# KiCad board QUT_Autopilot_Pixracer.kicad_pcb
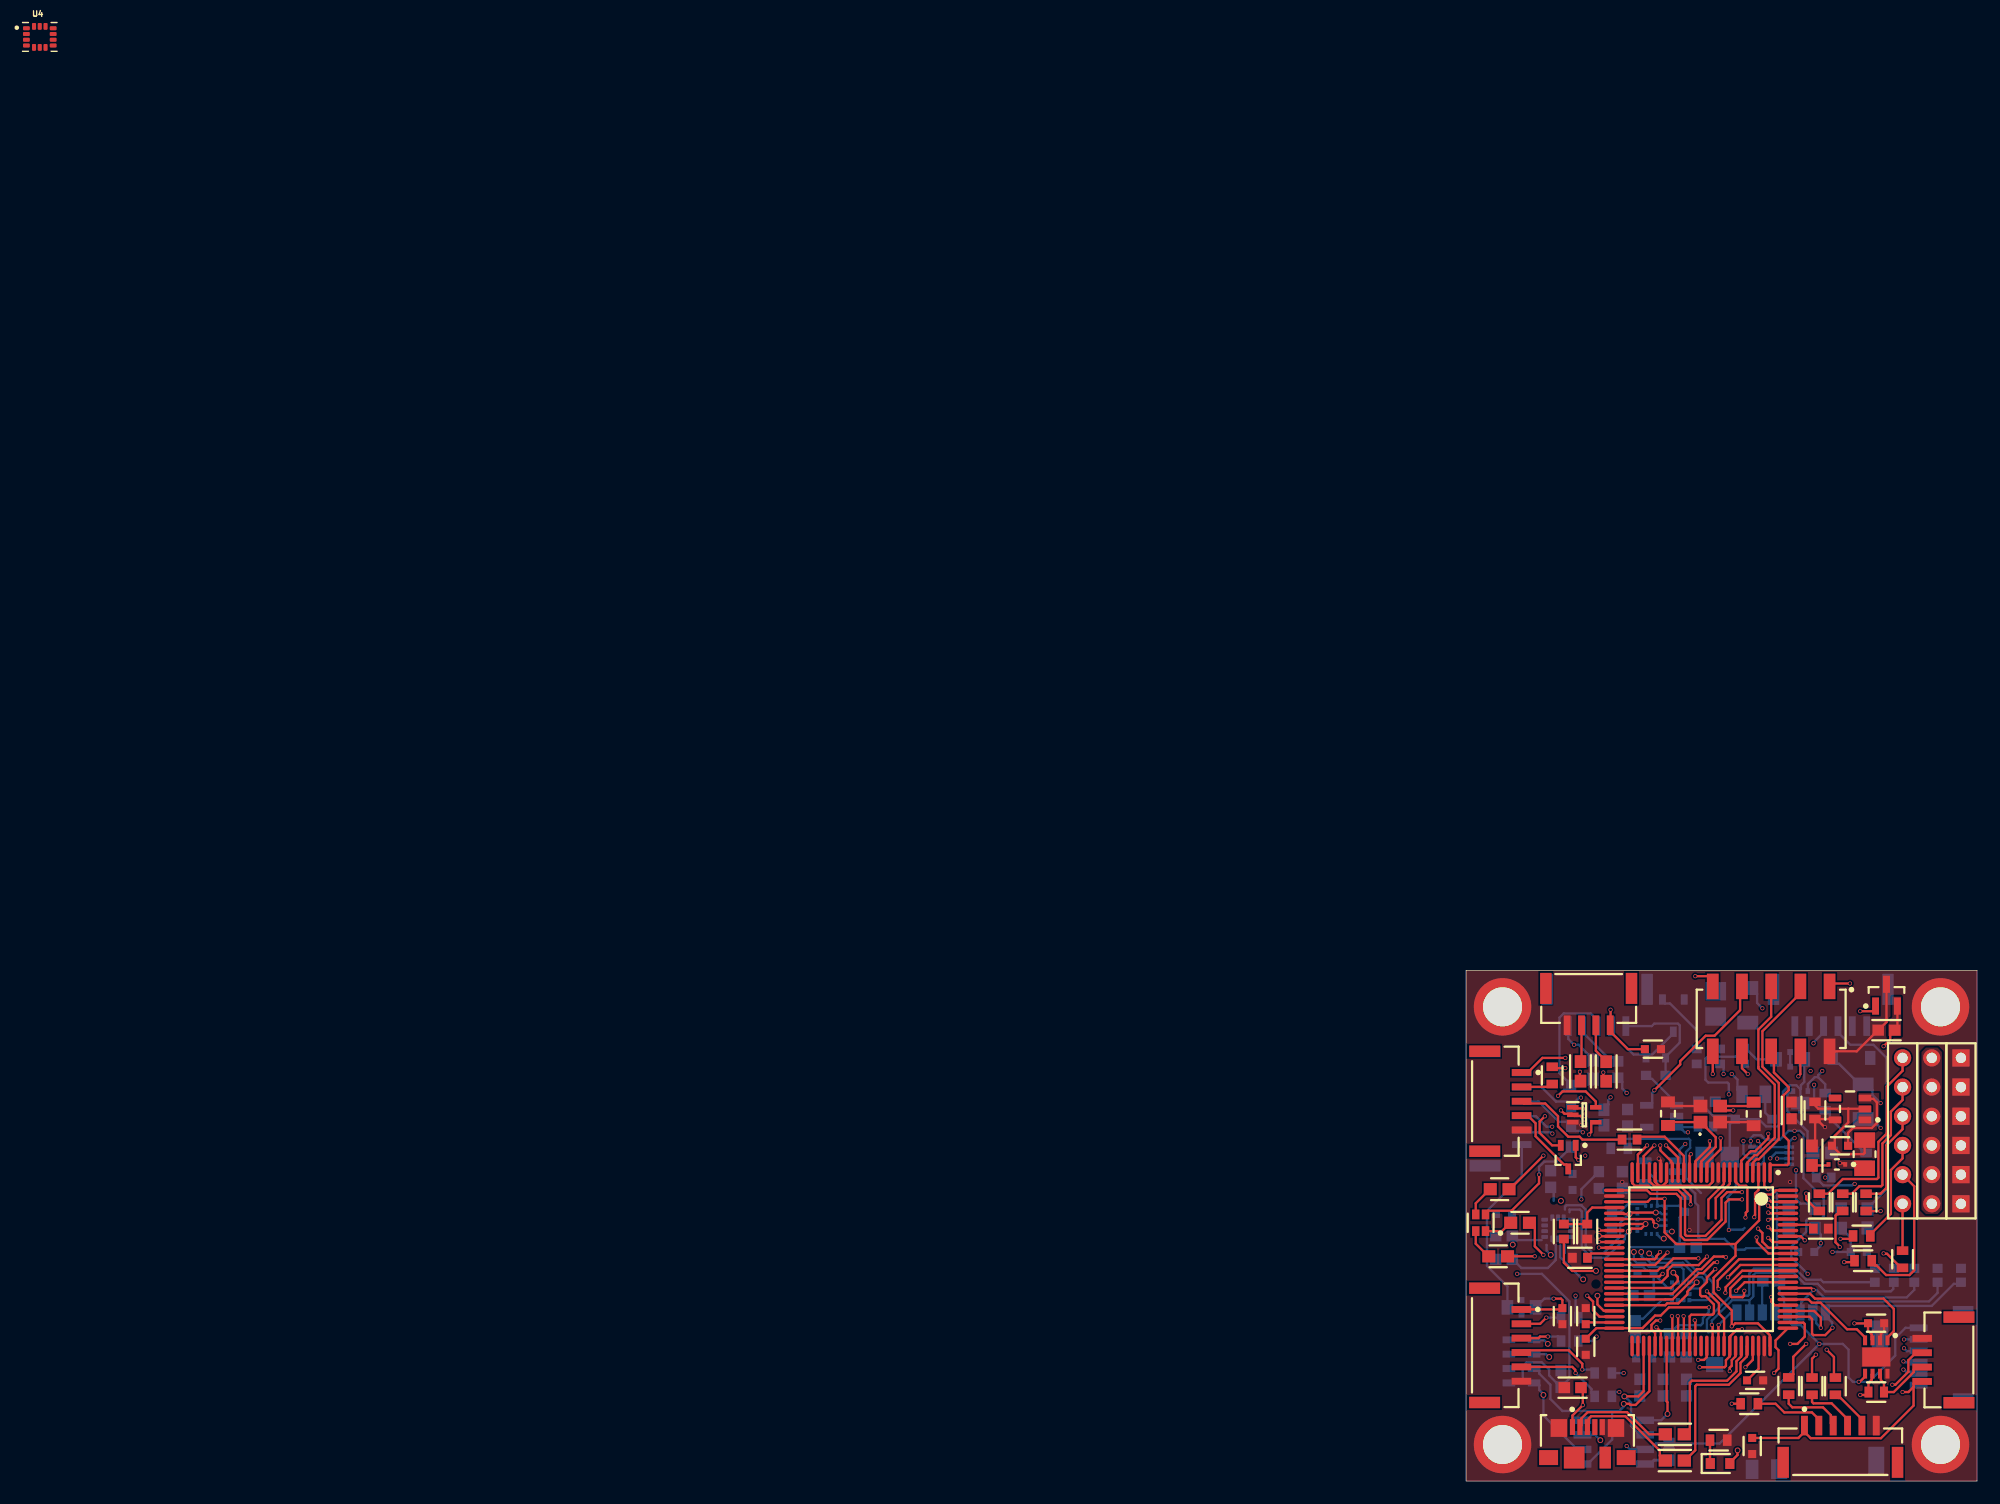
[diagram p0: board, top side]
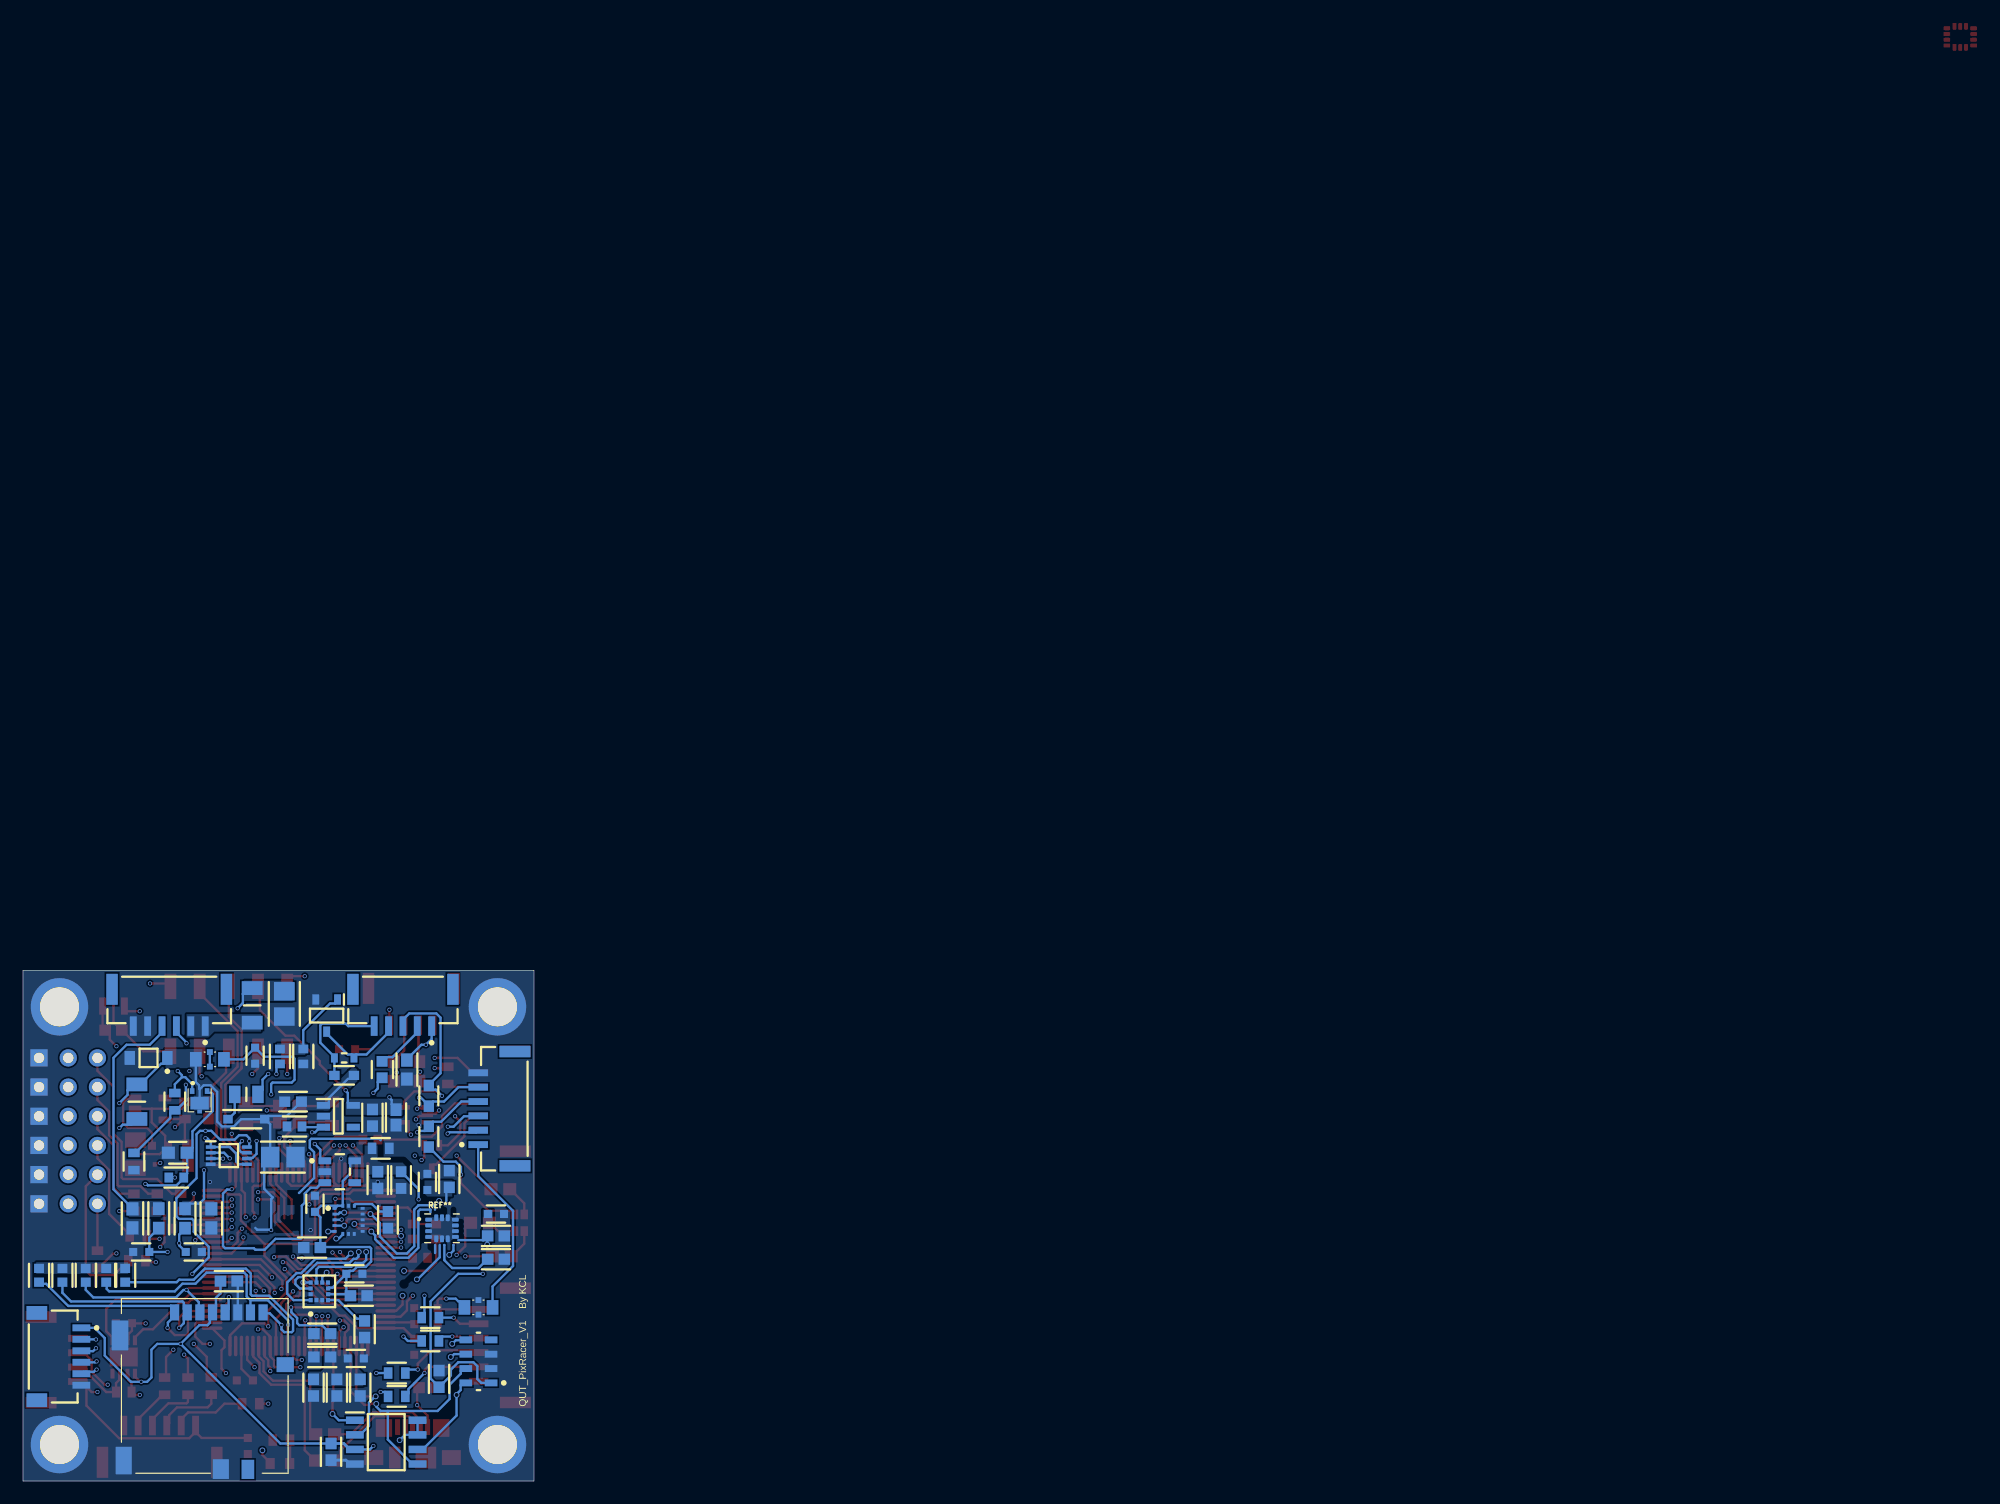
[diagram p1: board, bottom side, seen from below]

Outline 44.45 x 44.45 mm; copper layers: Top Layer, Mid Layer 1, Mid Layer 2, Bottom Layer. Coordinates in mm from the lower left corner of the outline.
Outline path: 0,44.45 0,0 44.45,0 44.45,44.45 0,44.45

## Placement (name value [footprint] x y rotation side)
C1  C1608X7R1A225K080AC  [FP-C1608-080-0_1-MFG]  10.41 14.35 270 top
C2  0603ZC104MAT2A  [FP-0603-L_1_6_0_15-W_0_81-IPC_B]  18.42 12.83 180 bottom
C3  CGA3E2C0G1H080D080AA  [FP-CGA3E-0_3-0_1-IPC_A]  25.02 31.95 270 top
C4  CGA3E2C0G1H080D080AA  [FP-CGA3E-0_3-0_1-IPC_A]  17.57 31.98 270 top
C5  0603ZC104MAT2A  [FP-0603-L_1_6_0_15-W_0_81-IPC_B]  17.65 2.54 270 bottom
C6  0603ZC104MAT2A  [FP-0603-L_1_6_0_15-W_0_81-IPC_B]  36.58 39.24 180 top
C7  C1608X7R1A225K080AC  [FP-C1608-080-0_1-MFG]  25.15 8.76 180 top
C8  0603ZC104MAT2A  [FP-0603-L_1_6_0_15-W_0_81-IPC_B]  19.18 8.13 90 bottom
C9  0603ZC104MAT2A  [FP-0603-L_1_6_0_15-W_0_81-IPC_B]  17.14 8.13 90 bottom
C10  0603ZC104MAT2A  [FP-0603-L_1_6_0_15-W_0_81-IPC_B]  15.11 8.13 90 bottom
C11  0603ZC104MAT2A  [FP-0603-L_1_6_0_15-W_0_81-IPC_B]  18.42 10.8 180 bottom
C12  C1608X7R1A225K080AC  [FP-C1608-080-0_1-MFG]  10.41 11.68 90 top
C13  C1608X7R1A225K080AC  [FP-C1608-080-0_1-MFG]  15.49 10.67 0 bottom
C14  C1608X7R1A225K080AC  [FP-C1608-080-0_1-MFG]  32.53 29.18 0 top
C15  CL10A106KP8NNND  [FP-CL10-IPC_B]  28.32 32.26 90 top
C16  GRM31CR60G227ME11L  [FP-GRM31C-0_3-e0_3_0_9-IPC_C]  34.67 28.45 90 top
C17  C1608X7R1A225K080AC  [FP-C1608-080-0_1-MFG]  3.3 23.24 0 bottom
C18  0603ZC104MAT2A  [FP-0603-L_1_6_0_15-W_0_81-IPC_B]  3.3 21.34 0 bottom
C19  0603ZC104MAT2A  [FP-0603-L_1_6_0_15-W_0_81-IPC_B]  3.3 19.3 0 bottom
C20  C1608X7R1A225K080AC  [FP-C1608-080-0_1-MFG]  9.27 26.03 270 bottom
C21  0603ZC104MAT2A  [FP-0603-L_1_6_0_15-W_0_81-IPC_B]  7.37 26.29 270 bottom
C22  C1608X7R1A225K080AC  [FP-C1608-080-0_1-MFG]  19.05 24.13 270 bottom
C23  0603ZC104MAT2A  [FP-0603-L_1_6_0_15-W_0_81-IPC_B]  19.3 20.32 180 bottom
C24  CL10B474KP8NNNC  [FP-CL10-IPC_B]  12.7 22.73 270 bottom
C25  0603ZC104MAT2A  [FP-0603-L_1_6_0_15-W_0_81-IPC_B]  8.26 8.89 90 bottom
C26  W2H13C1048AT1F  [W2H13C1048AT1A]  28.19 36.7 180 bottom
C27  C1608X7R1A225K080AC  [FP-C1608-080-0_1-MFG]  24.26 37.02 270 bottom
C28  0603ZC104MAT2A  [FP-0603-L_1_6_0_15-W_0_81-IPC_B]  13.59 26.2 90 bottom
C29  CL10A106KP8NNND  [FP-CL10-IPC_B]  11.56 26.2 270 bottom
C32  0603ZC104MAT2A  [FP-0603-L_1_6_0_15-W_0_81-IPC_B]  9.27 8.13 0 top
C33  C1608X5R1H103K080AA  [FP-C1608-080-0_1-MFG]  29.59 19.94 180 bottom
C34  C1608X5R1H103K080AA  [FP-C1608-080-0_1-MFG]  34.16 19.94 0 bottom
C35  0603ZC104MAT2A  [FP-0603-L_1_6_0_15-W_0_81-IPC_B]  26.54 17.4 180 bottom
C36  C1608X7R1A225K080AC  [FP-C1608-080-0_1-MFG]  35.67 13.74 180 top
C37  C1608X7R1A225K080AC  [FP-C1608-080-0_1-MFG]  8.38 14.35 270 top
C38  C1608X7R1A225K080AC  [FP-C1608-080-0_1-MFG]  24.89 3.05 270 top
C39  W2H13C1048AT1F  [W2H13C1048AT1A]  4.83 15.11 180 bottom
C40  C1608X7R1A225K080AC  [FP-C1608-080-0_1-MFG]  16.26 37.59 0 top
C41  C3216X5R1A107M160AC  [FP-C3216-160-0_3-IPC_C]  21.72 41.53 270 bottom
C42  C3216X5R1A107M160AC  [FP-C3216-160-0_3-IPC_C]  21.84 28.19 180 bottom
C43  CL10A106KP8NNND  [FP-CL10-IPC_B]  20.95 33.02 0 bottom
C44  CC0603KRX5R5BB106  [FP-CC0603-0_15-0_95-IPC_B]  12 31.65 270 bottom
C45  0603ZC104MAT2A  [FP-0603-L_1_6_0_15-W_0_81-IPC_B]  14.05 31.62 270 bottom
C46  0603ZC104MAT2A  [FP-0603-L_1_6_0_15-W_0_81-IPC_B]  15.24 16.13 0 bottom
C47  C1608X7R1A225K080AC  [FP-C1608-080-0_1-MFG]  15.62 18.03 0 bottom
C48  0603ZC104MAT2A  [FP-0603-L_1_6_0_15-W_0_81-IPC_B]  14.73 13.21 90 bottom
D1  BAS70-02V-V-G-08  [FP-S8-V-3880_02-001-MFG]  32.26 27.56 180 top
D2  PMEG2020CPA,115  [PMEG2020CPA115]  29.08 33.14 180 bottom
D3  MMSZ5232BT1G  [ONSC-SOD-123-2-425-04_V]  33.53 36.83 0 bottom
D4  PMEG1030EH,115  [SODFL3516X120N]  25.02 31.5 180 bottom
D5  1N4448X-TP  [1N4448XTP]  16.51 36.83 180 bottom
F1  0ZCJ0100FF2E  [FUSC3216X100N]  24.51 41.4 90 bottom
F2  0ZCK0035FF2G  [FUSC2214X75N]  25.02 33.66 180 bottom
F3  0ZCJ0100FF2E  [FUSC3216X100N]  34.54 33.02 270 bottom
IC1  STM32F427VIT6  [STM-LQFP100_N]  20.45 19.3 270 top
IC2  MCP131T-300E/TT  [SOT-23-TT3_N]  36.58 42.29 90 top
IC3  FM25V02A-GTR  [SOIC127P602X173-8N]  12.85 3.39 180 bottom
IC5  ICM-20602  [INSE-I62-16]  16.13 22.73 180 bottom
IC6  MS561101BA03-50  [MSI-MS561101BA03-50-8_V]  4.83 10.41 0 bottom
IC8  TJA1051TK_3,118  [SON65P300X300X100-9N-D]  35.69 10.8 270 top
IC9  74LVC1G86SE-7  [SOT65P210X110-5N]  10.29 31.88 0 top
IC10  74LVC2G86DC,125  [SOP50P310X100-8N]  26.54 28.32 180 bottom
IC11  AP7365-33WG-7  [SOT95P285X130-5N]  17.02 31.75 180 bottom
J1  SM06B-SRSS-TB(LF)(SN)  [JST-SM06B-SRSS-TB_V]  41.82 10.83 270 bottom
J2  473460001  [FP-473460001-MFG]  10.56 2.39 0 top
J3  SM06B-GHS-TB(LF)(SN)  [FP-SM06B-GHS-TB_LF_SN-MFG]  31.73 41.87 0 bottom
J4  PJS008-2120-0  [PJS00821200]  28.64 0.68 90 bottom
J5  SM04B-GHS-TB_LF__SN_  [SM04B-GHS-TB]  39.88 10.54 90 top
J6  SM05B-GHS-TB(LF)(SN)  [FP-SM05B-GHS-TB_LF_SN-MFG]  2.55 33.06 270 top
J7  SM06B-GHS-TB(LF)(SN)  [FP-SM06B-GHS-TB_LF_SN-MFG]  2.54 11.81 270 top
J8  SM06B-GHS-TB(LF)(SN)  [FP-SM06B-GHS-TB_LF_SN-MFG]  32.56 2.55 0 top
J9  SM06B-GHS-TB(LF)(SN)  [FP-SM06B-GHS-TB_LF_SN-MFG]  2.58 32.41 90 bottom
J10  Header 6  [HDR1X6]  40.51 24.13 90 top
J11  Header 6  [HDR1X6#2]  43.05 24.13 90 top
J12  Header 6  [HDR1X6]  37.97 24.13 90 top
J13  SM05B-GHS-TB(LF)(SN)  [FP-SM05B-GHS-TB_LF_SN-MFG]  11.4 41.87 0 bottom
J14  SM04B-GHS-TB_LF__SN_  [SM04B-GHS-TB]  10.67 39.88 180 top
JP1  SSM-105-L-DV  [SMTC-SSM-105-X-DV]  26.54 40.23 180 top
LED1  APG1608ZGCK  [LEDC1608X28N]  22.1 1.52 0 top
LED2  LTST-C19HE1WT  [FP-LTST-C19HE1WT-MFG]  1.27 22.48 180 top
NOREF  -  [unnamed]  3.17 41.28 0 top
NOREF#2  -  [unnamed#2]  41.27 3.17 0 top
NOREF#3  -  [unnamed#3]  3.17 3.17 0 top
NOREF#4  -  [unnamed#4]  41.27 41.28 0 top
Q1  XP151A12A2MR-G  [SOT95P280X130-3N]  18.03 40.51 270 bottom
Q2  BSS223PW H6327  [INF-PG-SOT-323_N]  8.89 28.19 270 top
R1  ERJ-3GEYJ103V  [FP-ERJ3G-IPC_C]  9.91 19.43 180 top
R2  ERJ-3GEYJ103V  [FP-ERJ3G-IPC_C]  30.86 21.97 0 top
R3  CRCW0603220RFKEB  [FP-CRCW0603-e3-MFG]  30.35 32.26 270 top
R4  RC1608J102CS  [FP-RC1608-IPC_A]  30.1 28.32 270 top
R5  DNP  [FP-CRCW0603-e3-MFG]  13.33 28.96 0 bottom
R6  CRCW060322R0JNEAHP  [FP-CRCW0603-HPe3-IPC_A]  18.16 4.06 0 top
R7  CRCW060322R0JNEAHP  [FP-CRCW0603-HPe3-IPC_A]  18.16 1.78 0 top
R8  RC1608J102CS  [FP-RC1608-IPC_A]  30.35 22.86 270 bottom
R9  RC1608J102CS  [FP-RC1608-IPC_A]  32.64 22.86 270 bottom
R10  CRCW06031M00JNEAHP  [FP-CRCW0603-HPe3-IPC_A]  28.07 22.86 270 bottom
R11  CRCW06031M00JNEAHP  [FP-CRCW0603-HPe3-IPC_A]  34.92 22.86 270 bottom
R12  ERJ-3GEYJ103V  [FP-ERJ3G-IPC_C]  8.51 21.72 90 top
R13  ERJ-3GEYJ103V  [FP-ERJ3G-IPC_C]  10.54 21.72 270 top
R14  RMCF0603JT100K  [FP-RMCF0603-IPC_C]  35.56 17.91 90 bottom
R15  RMCF0603JT100K  [FP-RMCF0603-IPC_C]  43.05 17.91 270 bottom
R16  RMCF0603JT100K  [FP-RMCF0603-IPC_C]  41.02 17.91 270 bottom
R17  RMCF0603JT100K  [FP-RMCF0603-IPC_C]  38.99 17.91 270 bottom
R18  RMCF0603JT100K  [FP-RMCF0603-IPC_C]  37.21 17.91 270 bottom
R19  MCT06030D1200BP100  [FP-MCT0603-MFG]  35.68 7.74 0 top
R20  CRCW0603220RFKEB  [FP-CRCW0603-e3-MFG]  7.49 35.31 270 top
R21  ERJ-3GEYJ103V  [FP-ERJ3G-IPC_C]  14.22 29.72 0 top
R22  RC1608J102CS  [FP-RC1608-IPC_A]  12.19 35.65 270 top
R23  RC1608J102CS  [FP-RC1608-IPC_A]  9.96 35.66 270 top
R24  CRCW0603220RFKEB  [FP-CRCW0603-e3-MFG]  9.02 14.22 180 bottom
R25  CRCW0603220RFKEB  [FP-CRCW0603-e3-MFG]  9.02 12.19 180 bottom
R26  CRCW0603220RFKEB  [FP-CRCW0603-e3-MFG]  11.94 9.4 180 bottom
R27  CRCW0603220RFKEB  [FP-CRCW0603-e3-MFG]  11.94 7.37 180 bottom
R28  CRCW0603220RFKEB  [FP-CRCW0603-e3-MFG]  24.64 6.73 0 top
R29  CRCW0603220RFKEB  [FP-CRCW0603-e3-MFG]  28.07 8.27 270 top
R30  CRCW0603220RFKEB  [FP-CRCW0603-e3-MFG]  30.1 8.25 270 top
R31  CRCW0603220RFKEB  [FP-CRCW0603-e3-MFG]  32.13 8.25 270 top
R32  CPF0603B1K5E1  [FP-CPF0603-MFG]  9.14 29.97 90 bottom
R33  CPF0603B1K5E1  [FP-CPF0603-MFG]  9.14 33.53 270 bottom
R34  CRCW0603220RFKEB  [FP-CRCW0603-e3-MFG]  37.97 19.3 270 top
R35  CRCW0603220RFKEB  [FP-CRCW0603-e3-MFG]  34.54 19.18 180 top
R36  CRCW0603220RFKEB  [FP-CRCW0603-e3-MFG]  34.42 21.34 180 top
R37  CRCW0603220RFKEB  [FP-CRCW0603-e3-MFG]  34.8 24.26 270 top
R38  CRCW0603220RFKEB  [FP-CRCW0603-e3-MFG]  32.77 24.26 270 top
R39  CRCW0603220RFKEB  [FP-CRCW0603-e3-MFG]  30.73 24.26 270 top
R40  MCR03EZPFX1501  [FP-MCR03-IPC_A]  11.05 35.81 270 bottom
R41  CRCW060336R0JNEA  [FP-CRCW0603-e3-IPC_B]  13.21 35.81 90 bottom
R42  ERJ-3GEYJ103V  [FP-ERJ3G-IPC_C]  31.11 26.42 0 bottom
R43  CRCW0603470RJNEA  [FP-CRCW0603-e3-IPC_A]  30.99 28.58 0 bottom
R44  CRCW0603220RFKEB  [FP-CRCW0603-e3-MFG]  31.24 33.02 270 bottom
R45  CRCW0603220RFKEB  [FP-CRCW0603-e3-MFG]  34.8 27.81 270 bottom
R46  CRCW0603220RFKEB  [FP-CRCW0603-e3-MFG]  21.97 3.56 0 top
R47  RT0603BRD0710RL  [FP-RT0603-MFG]  16.51 35.31 0 bottom
R48  ERJ-3GEYJ103V  [FP-ERJ3G-IPC_C]  22.1 36.96 90 bottom
R49  ERJ-3GEYJ103V  [FP-ERJ3G-IPC_C]  20.07 36.96 270 bottom
R50  CRCW0603100RFKEB  [FP-CRCW0603-e3-IPC_A]  2.92 25.4 0 top
R51  CRCW0603100RFKEB  [FP-CRCW0603-e3-IPC_A]  2.79 19.56 0 top
R52  CRCW0603100RFKEB  [FP-CRCW0603-e3-IPC_A]  4.7 22.48 0 top
R53  ERJ-3GEYJ103V  [FP-ERJ3G-IPC_C]  20.83 30.86 0 bottom
REF**  -  [ICM-42688-P]  8 22 180 bottom
U1  LP5907QMFX-3.3Q1  [FP-DBV0005A-MFG]  16.89 26.92 180 bottom
U2  LP5907QMFX-3.3Q1  [FP-DBV0005A-MFG]  33.4 32.39 180 top
U3  LIS3MDLTR  [FP-VFLGA-12-8365767-MFG]  18.67 16.51 90 bottom
U4  -  [ICM-42688-P]  -124.08 125.7 0 top
Y1  FA-20H_24.0000MF20X-K3  [FA20H160000MF12ZAC3]  21.25 31.94 0 top

## Library data of the parts
U4 = -: PARTREV: 1.2; STANDARD: IPC-7351B; MAXIMUM_PACKAGE_HEIGHT: 0.97mm; MANUFACTURER: TDK InvenSense

## Footprints (pads in the part's own frame, mm; a bottom-side part is the same pattern mirrored in y, then rotated)
1N4448XTP
  rect 0.6x0.8 smd: 1(-0.85,0) 2(0.85,0)
FA20H160000MF12ZAC3
  rect 1.2x1.1 smd: 1(-0.85,-0.7) 2(0.85,-0.7) 3(0.85,0.7) 4(-0.85,0.7)
FP-0603-L_1_6_0_15-W_0_81-IPC_B
  rect 1.006x0.968 smd: 1(-0.726,0) 2(0.726,0)
FP-473460001-MFG
  rect 0.45x1.38 smd: 1(-1.3,2.31) 2(-0.65,2.31) 3(0,2.31) 4(0.65,2.31) 5(1.3,2.31)
  rect 1.425x1.55 smd: 6(-2.487,2.225) 7(2.487,2.225)
  rect 1.65x1.3 smd: 8(-3.375,-0.35) 11(3.375,-0.35)
  rect 1.8x1.9 smd: 9(-1.15,-0.35)
  rect 1x1.9 smd: 10(1.55,-0.35)
FP-C1608-080-0_1-MFG
  rect 0.7x0.7 smd: 1(-0.7,0) 2(0.7,0)
FP-C3216-160-0_3-IPC_C
  rect 1.604x1.806 smd: 1(-1.101,0) 2(1.101,0)
FP-CC0603-0_15-0_95-IPC_B
  rect 1.106x0.958 smd: 1(-0.676,0) 2(0.676,0)
FP-CGA3E-0_3-0_1-IPC_A
  rect 0.956x1.206 smd: 1(-1.025,0) 2(1.025,0)
FP-CL10-IPC_B
  rect 0.958x0.912 smd: 1(-0.727,0) 2(0.727,0)
FP-CPF0603-MFG
  rect 1x0.9 smd: 1(-0.9,0) 2(0.9,0)
FP-CRCW0603-e3-IPC_A
  rect 1.135x1.062 smd: 1(-0.815,0) 2(0.815,0)
FP-CRCW0603-e3-IPC_B
  rect 0.935x0.962 smd: 1(-0.715,0) 2(0.715,0)
FP-CRCW0603-e3-MFG
  rect 0.75x1 smd: 1(-0.75,0) 2(0.75,0)
FP-CRCW0603-HPe3-IPC_A
  rect 1.158x1.062 smd: 1(-0.827,0) 2(0.827,0)
FP-DBV0005A-MFG
  rrect 1.1x0.6 smd: 1(-1.3,0.95) 2(-1.3,0) 3(-1.3,-0.95) 4(1.3,-0.95) 5(1.3,0.95)
FP-ERJ3G-IPC_C
  rect 0.756x0.862 smd: 1(-0.651,0) 2(0.651,0)
FP-GRM31C-0_3-e0_3_0_9-IPC_C
  rect 1.353x1.804 smd: 1(-1.225,0) 2(1.225,0)
FP-LTST-C19HE1WT-MFG
  rect 0.65x0.85 smd: 1(-0.425,0.725) 2(0.425,0.725) 3(0.425,-0.725) 4(-0.425,-0.725)
FP-MCR03-IPC_A
  rect 1.158x1.012 smd: 1(-0.827,0) 2(0.827,0)
FP-MCT0603-MFG
  rect 0.7x0.95 smd: 1(-0.675,0) 2(0.675,0)
FP-RC1608-IPC_A
  rect 1.11x1.012 smd: 1(-0.851,0) 2(0.851,0)
FP-RMCF0603-IPC_C
  rect 0.806x0.858 smd: 1(-0.601,0) 2(0.601,0)
FP-RT0603-MFG
  rect 0.9x0.8 smd: 1(-0.85,0) 2(0.85,0)
FP-S8-V-3880_02-001-MFG
  rect 0.35x0.4 smd: 1(-0.725,0) 2(0.725,0)
FP-SM05B-GHS-TB_LF_SN-MFG
  rect 0.6x1.7 smd: 1(-2.5,2.275) 2(-1.25,2.275) 3(0,2.275) 4(1.25,2.275) 5(2.5,2.275)
  rect 1x2.7 smd: 6(-4.35,-0.925) 7(4.35,-0.925)
FP-SM06B-GHS-TB_LF_SN-MFG
  rect 0.6x1.7 smd: 1(-3.125,2.275) 2(-1.875,2.275) 3(-0.625,2.275) 4(0.625,2.275) 5(1.875,2.275) 6(3.125,2.275)
  rect 1x2.7 smd: 7(-4.975,-0.925) 8(4.975,-0.925)
FP-VFLGA-12-8365767-MFG
  rect 0.375x0.35 smd: 1(-0.762,0.75) 2(-0.762,0.25) 3(-0.762,-0.25) 4(-0.762,-0.75) 7(0.762,-0.75) 8(0.762,-0.25) 9(0.762,0.25) 10(0.762,0.75)
  rect 0.35x0.375 smd: 5(-0.25,-0.762) 6(0.25,-0.762) 11(0.25,0.762) 12(-0.25,0.762)
FUSC2214X75N
  rect 1x1.52 smd: 1(-1.01,0) 2(1.01,0)
FUSC3216X100N
  rect 1.2x1.82 smd: 1(-1.505,0) 2(1.505,0)
HDR1X6
  round 1.5 hole 0.9: 1(0,0) 2(2.54,0) 3(5.08,0) 4(7.62,0) 5(10.16,0) 6(12.7,0)
HDR1X6#2
  rect 1.5x1.5 hole 0.9: 1(0,0) 2(2.54,0) 3(5.08,0) 4(7.62,0) 5(10.16,0) 6(12.7,0)
ICM-42688-P
  rrect 0.59x0.35 smd: 1(-1.165,0.75) 2(-1.165,0.25) 3(-1.165,-0.25) 4(-1.165,-0.75) 8(1.165,-0.75) 9(1.165,-0.25) 10(1.165,0.25) 11(1.165,0.75)
  rrect 0.35x0.59 smd: 5(-0.5,-0.915) 6(0,-0.915) 7(0.5,-0.915) 12(0.5,0.915) 13(0,0.915) 14(-0.5,0.915)
INF-PG-SOT-323_N
  rect 0.95x0.5 smd: 1(-1.025,0.65) 2(-1.025,-0.65) 3(1.025,0)
INSE-I62-16
  rect 0.35x0.25 smd: 1(-1.225,1) 2(-1.225,0.5) 3(-1.225,0) 4(-1.225,-0.5) 5(-1.225,-1) 9(1.225,-1) 10(1.225,-0.5) 11(1.225,0) 12(1.225,0.5) 13(1.225,1)
  rect 0.25x0.35 smd: 6(-0.5,-1.225) 7(0,-1.225) 8(0.5,-1.225) 14(0.5,1.225) 15(0,1.225) 16(-0.5,1.225)
JST-SM06B-SRSS-TB_V
  rect 0.6x1.55 smd: 1(-2.5,2.45) 2(-1.5,2.45) 3(-0.5,2.45) 4(0.5,2.45) 5(1.5,2.45) 6(2.5,2.45)
  rect 1.2x1.8 smd: MP1(-3.8,-1.425) MP2(3.8,-1.425)
LEDC1608X28N
  rect 0.8x0.95 smd: 1(-0.85,0) 2(0.85,0)
MSI-MS561101BA03-50-8_V
  rect 1.1x0.6 smd: 1(-1.1,1.875) 2(-1.1,0.625) 3(-1.1,-0.625) 4(-1.1,-1.875) 5(1.1,-1.875) 6(1.1,-0.625) 7(1.1,0.625) 8(1.1,1.875)
ONSC-SOD-123-2-425-04_V
  rect 0.91x1.22 smd: 1(-1.635,0) 2(1.635,0)
PJS00821200
  rect 1.4x0.8 smd: 1(14,2.625) 2(14,1.525) 3(14,0.425) 4(14,-0.675) 5(14,-1.775) 6(14,-2.875) 7(14,-3.975) 8(14,-5.075)
  rect 1.3x1.5 smd: CD1(9.45,-7)
  rect 2.6x1.45 smd: G1(12,7.375)
  rect 2.4x1.4 smd: G2(1.1,7.05)
  rect 1.72x1.4 smd: G3(0.36,-1.4)
  rect 1.67x1.1 smd: MP1(0.335,-3.75)
PMEG2020CPA115
  rect 0.4x0.5 smd: 1(-0.65,0.8) 2(0.65,0.8)
  rect 1.6x1.1 smd: 3(0,-0.25)
  rect 0.4x0.35 smd: 4(0,-0.975)
SM04B-GHS-TB
  rect 0.6x1.7 smd: 1(-1.875,0.2) 2(-0.625,0.2) 3(0.625,0.2) 4(1.875,0.2)
  rect 1x2.7 smd: 5(-3.725,-3) 6(3.725,-3)
SMTC-SSM-105-X-DV
  rect 1.02x2.22 smd: 1(-5.08,-2.825) 2(-5.08,2.825) 3(-2.54,-2.825) 4(-2.54,2.825) 5(0,-2.825) 6(0,2.825) 7(2.54,-2.825) 8(2.54,2.825) 9(5.08,-2.825) 10(5.08,2.825)
SODFL3516X120N
  rect 0.82x0.76 smd: 1(-1.6,0) 2(1.6,0)
SOIC127P602X173-8N
  rect 1.551x0.65 smd: 1(-2.725,1.905) 2(-2.725,0.635) 3(-2.725,-0.635) 4(-2.725,-1.905) 5(2.725,-1.905) 6(2.725,-0.635) 7(2.725,0.635) 8(2.725,1.905)
SON65P300X300X100-9N-D
  rect 0.85x0.35 smd: 1(-1.45,0.975) 2(-1.45,0.325) 3(-1.45,-0.325) 4(-1.45,-0.975) 5(1.45,-0.975) 6(1.45,-0.325) 7(1.45,0.325) 8(1.45,0.975)
  rect 1.65x2.45 smd: 9(0,0)
SOP50P310X100-8N
  rect 0.85x0.3 smd: 1(-1.575,0.75) 2(-1.575,0.25) 3(-1.575,-0.25) 4(-1.575,-0.75) 5(1.575,-0.75) 6(1.575,-0.25) 7(1.575,0.25) 8(1.575,0.75)
SOT65P210X110-5N
  rect 1x0.4 smd: 1(-1,0.65) 2(-1,0) 3(-1,-0.65) 4(1,-0.65) 5(1,0.65)
SOT95P280X130-3N
  rect 0.9x0.6 smd: 1(-1.4,0.95) 2(-1.4,-0.95) 3(1.4,0)
SOT95P285X130-5N
  rect 1.15x0.6 smd: 1(-1.3,0.95) 2(-1.3,0) 3(-1.3,-0.95) 4(1.3,-0.95) 5(1.3,0.95)
SOT-23-TT3_N
  rect 1.5x0.6 smd: 1(-0.95,0.95) 2(-0.95,-0.95) 3(0.95,0)
STM-LQFP100_N
  oval 1.8x0.3 smd: 1(-7.55,6) 2(-7.55,5.5) 3(-7.55,5) 4(-7.55,4.5) 5(-7.55,4) 6(-7.55,3.5) 7(-7.55,3) 8(-7.55,2.5) 9(-7.55,2) 10(-7.55,1.5) 11(-7.55,1) 12(-7.55,0.5) 13(-7.55,0) 14(-7.55,-0.5) 15(-7.55,-1) 16(-7.55,-1.5) 17(-7.55,-2) 18(-7.55,-2.5) 19(-7.55,-3) 20(-7.55,-3.5) 21(-7.55,-4) 22(-7.55,-4.5) 23(-7.55,-5) 24(-7.55,-5.5) 25(-7.55,-6) 51(7.55,-6) 52(7.55,-5.5) 53(7.55,-5) 54(7.55,-4.5) 55(7.55,-4) 56(7.55,-3.5) 57(7.55,-3) 58(7.55,-2.5) 59(7.55,-2) 60(7.55,-1.5) 61(7.55,-1) 62(7.55,-0.5) 63(7.55,0) 64(7.55,0.5) 65(7.55,1) 66(7.55,1.5) 67(7.55,2) 68(7.55,2.5) 69(7.55,3) 70(7.55,3.5) 71(7.55,4) 72(7.55,4.5) 73(7.55,5) 74(7.55,5.5) 75(7.55,6)
  oval 0.3x1.8 smd: 26(-6,-7.55) 27(-5.5,-7.55) 28(-5,-7.55) 29(-4.5,-7.55) 30(-4,-7.55) 31(-3.5,-7.55) 32(-3,-7.55) 33(-2.5,-7.55) 34(-2,-7.55) 35(-1.5,-7.55) 36(-1,-7.55) 37(-0.5,-7.55) 38(0,-7.55) 39(0.5,-7.55) 40(1,-7.55) 41(1.5,-7.55) 42(2,-7.55) 43(2.5,-7.55) 44(3,-7.55) 45(3.5,-7.55) 46(4,-7.55) 47(4.5,-7.55) 48(5,-7.55) 49(5.5,-7.55) 50(6,-7.55) 76(6,7.55) 77(5.5,7.55) 78(5,7.55) 79(4.5,7.55) 80(4,7.55) 81(3.5,7.55) 82(3,7.55) 83(2.5,7.55) 84(2,7.55) 85(1.5,7.55) 86(1,7.55) 87(0.5,7.55) 88(0,7.55) 89(-0.5,7.55) 90(-1,7.55) 91(-1.5,7.55) 92(-2,7.55) 93(-2.5,7.55) 94(-3,7.55) 95(-3.5,7.55) 96(-4,7.55) 97(-4.5,7.55) 98(-5,7.55) 99(-5.5,7.55) 100(-6,7.55)
unnamed
  round 5 hole 3.4: 1(0,0)
unnamed#2
  round 5 hole 3.4: 4(0,0)
unnamed#3
  round 5 hole 3.4: 2(0,0)
unnamed#4
  round 5 hole 3.4: 3(0,0)
W2H13C1048AT1A
  rect 1.02x1.27 smd: 1(-1.225,0) 2(1.225,0)
  rect 0.51x0.51 smd: 3(0,0.635) 4(0,-0.635)
